# Altium PCB KlusterLab r2.0.PcbDoc (part 20 of 22) (continued)
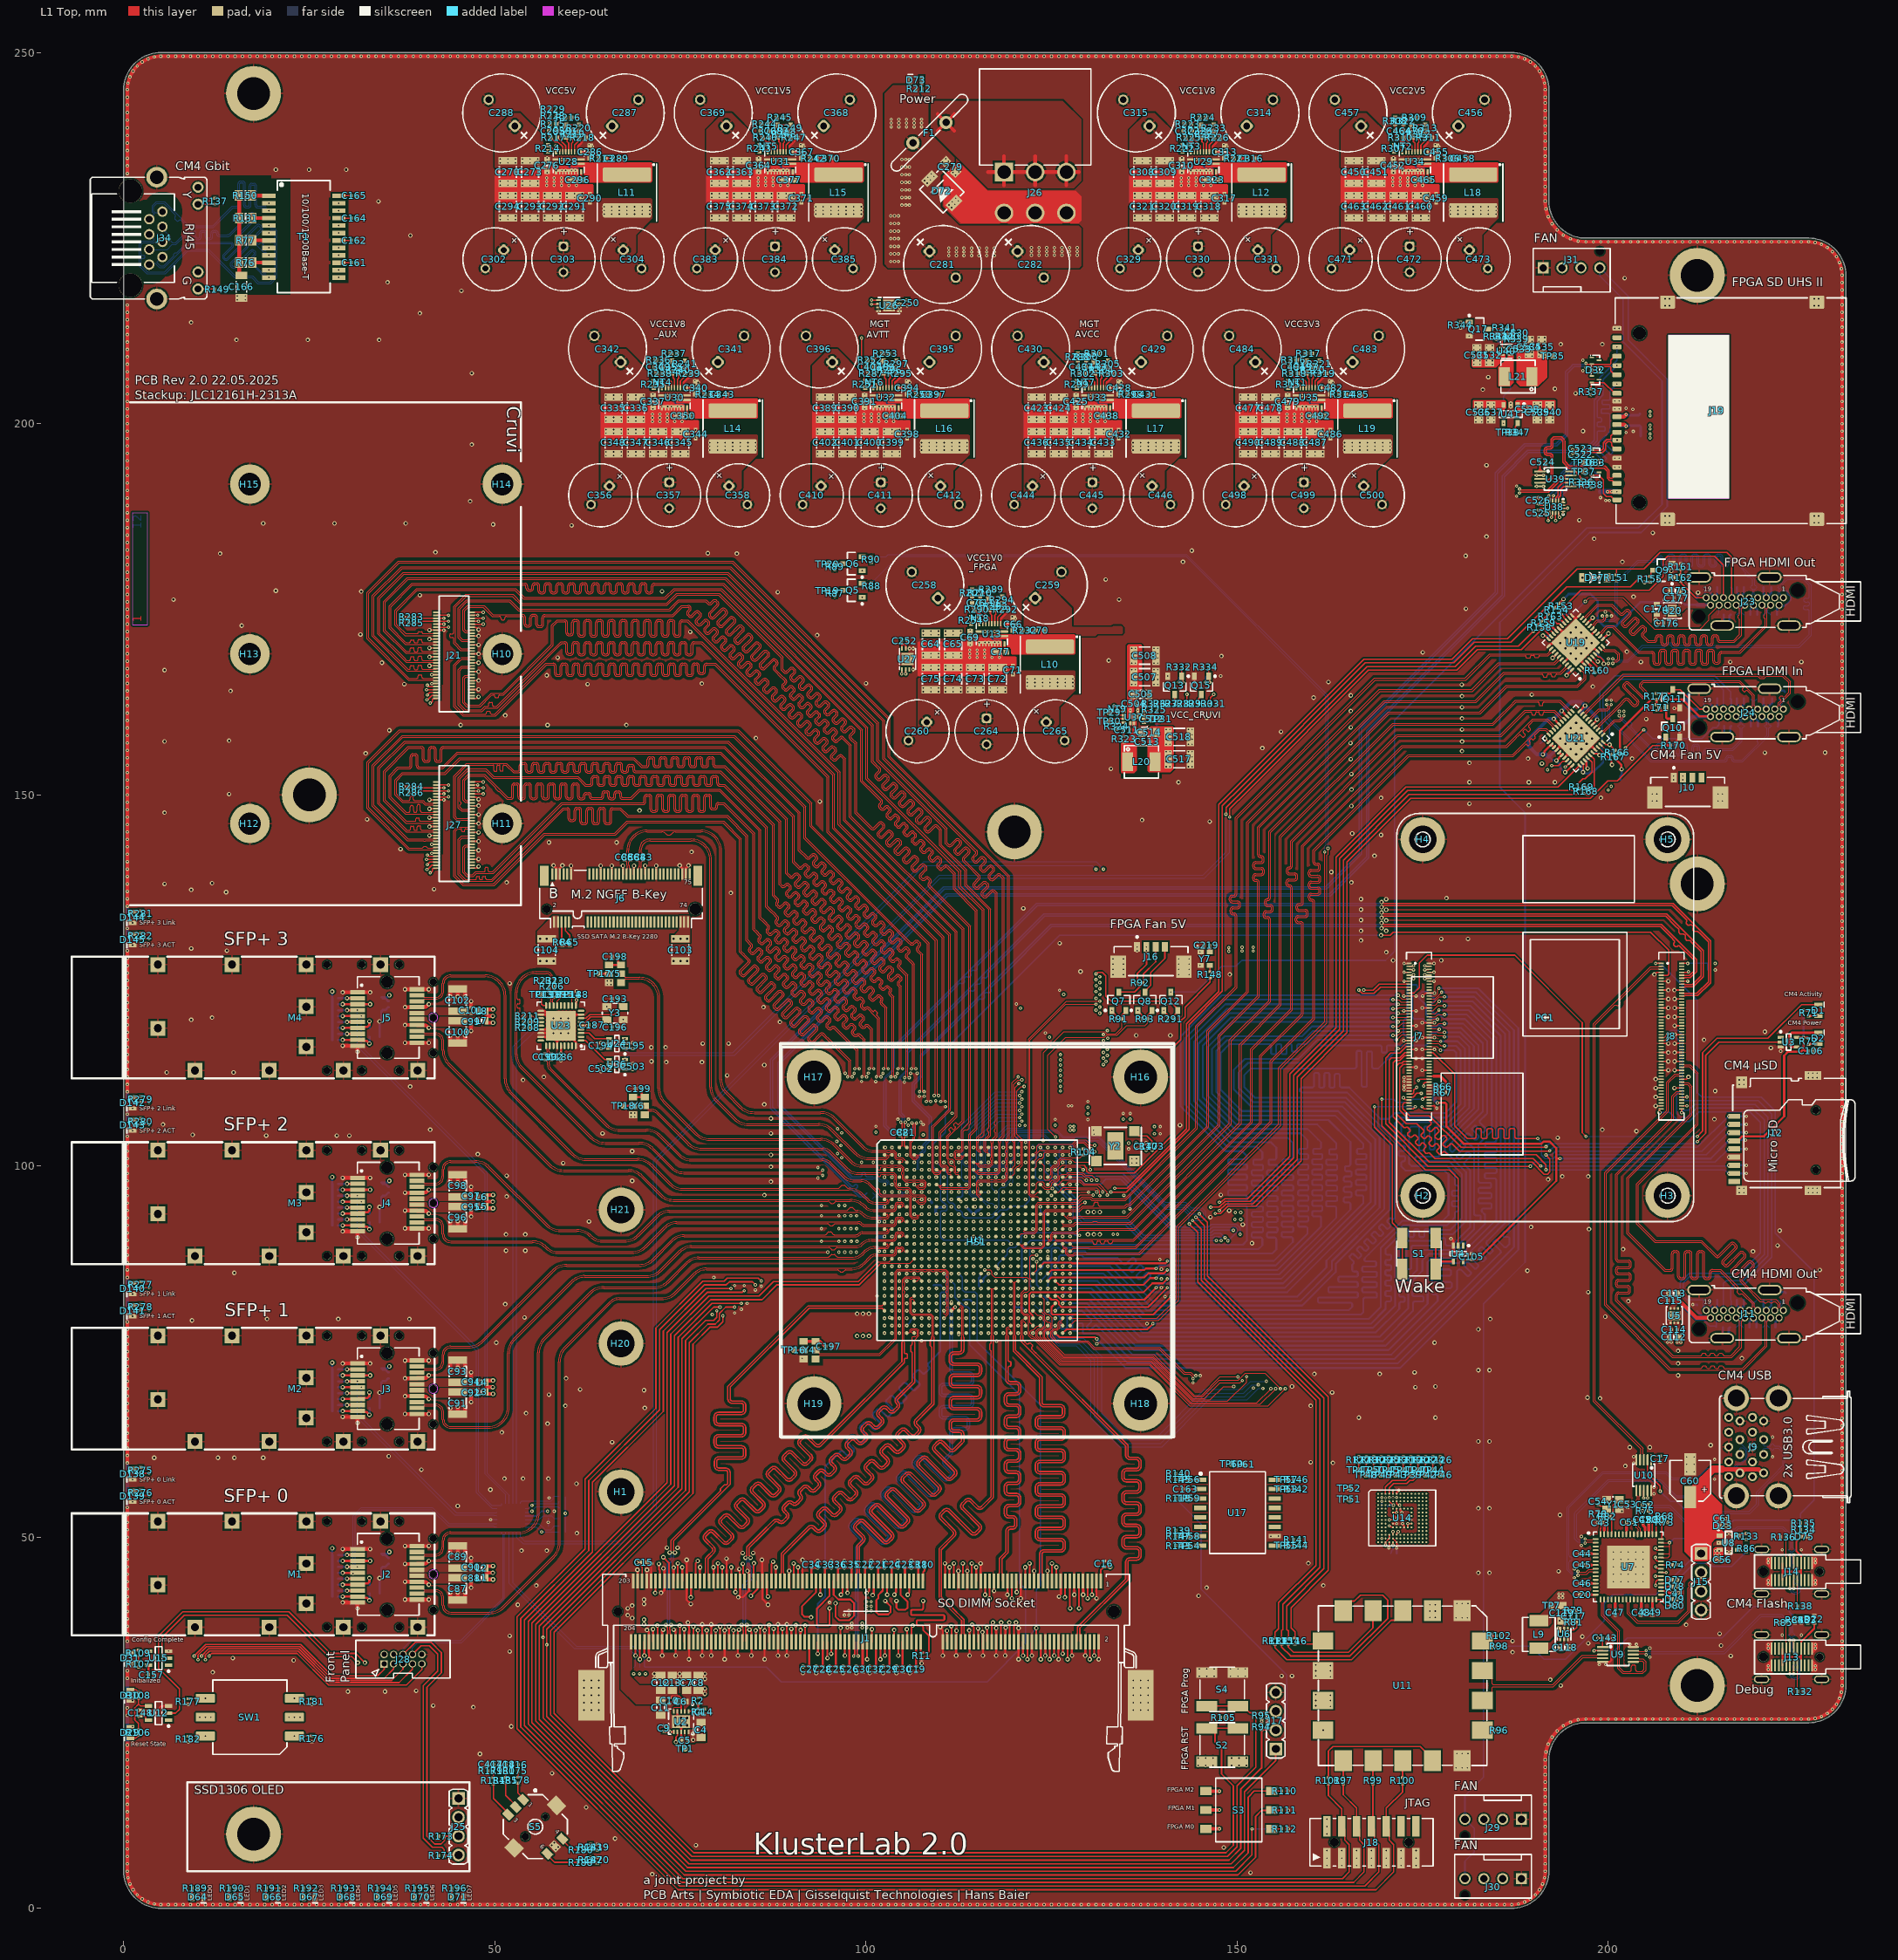
[diagram p0: L1 Top view]
## Nets (pads, with @x,y where several pads share a name; then routed paths per layer and width w, separated by ;. In a path a pad name is that pad's centre, name@x,y a point inside that pad or via, vN(x,y) a via of type N, cw(c..) or ccw(c..) an arc to the next point about the centre after c; other vN are vias at no path point) (continued)
VCC3V3_SD: C538.1 C539.1 C540.1 R346.1 U41.1 | length 16.4
  L3 Inner2 (Sig) w0.8: 190.187,202.514 190.85,202.514 191.7,202.514 192.5,202.514 198.436,202.514 200.503,200.447
  L3 Inner2 (Sig) w0.85: 200.503,200.447 202.998,200.447 204.961,198.484
  other v1: 205.625,198.1 205.625,198.6 190.05,202.25 190.85,202.25 191.7,202.25 192.5,202.25 190.05,202.75 190.85,202.75 191.7,202.75 192.5,202.75
VCC5V: C56.1 C112.2 C114.2 C174.2 C176.2 C290.1 C291.1 C292.1 C293.1 C294.1 C297.1 C298.1 C299.1 C300.1 C302.1 C303.1 C304.1 C504.2 C505.1 C506.1 C507.1 C508.1 C509.1 C510.1 C531.1 C532.1 D50.2 J7.77 J7.79 J7.81 J7.83 J7.85 J7.87 J10.2 J16.2 J21.60 J27.60 J29.2 J30.2 J31.2 L11.2 R73.2 R92.2 R216.2 U5.2 U5.3 U8.3 U20.2 U20.3 U37.2 U40.3 | length 20.8
  L1 Top w0.2: J27.60@46.835,140.13 47.59,140.13 v2(47.8,140.34) ; J21.60@46.835,162.99 47.59,162.99 v2(47.8,163.2) ; R92.2@136.555,124.65 136.555,125.905 137.8,127.15 137.8,129 137.8,129.475 v1(137.775,129.5)
  L10 Inner9 (Sig) w0.4: v1(60.325,241.25) 60.325,240.513 59.8,239.988 59.8,238.65 62.061,236.389 62.061,235.155 62.709,234.508 62.709,232.566 63.325,231.95 63.325,230.375 v1(62.8,229.85)
  other v1: 214.45,47.05 214.955,47.05 214.45,47.6 214.95,47.6 214.445,48.15 214.945,48.15 207.995,52 209.277,76.254 209.777,76.254 172.5,110.3 172.5,110.8 172.5,111.4 172.5,111.9 148.875,128.925 150.675,128.975 152.175,128.975 137.775,129 148.875,129.425 150.675,129.475 152.175,129.475 199.997,150.654 200.397,151.154 210.053,152.016 210.053,152.516 135.6,161.4 135.755,162.3 135.8,163.2 136.3,163.2 135.8,163.9 136.3,163.9 135.8,164.85 136.3,164.85 135.8,165.55 136.3,165.55 135.8,166.15 136.3,166.15 135.8,166.85 136.3,166.85 135.8,167.75 136.3,167.75 135.8,168.45 136.3,168.45 135.8,169.05 136.3,169.05 135.8,169.75 136.3,169.75 181.9,208 182.7,208 183.6,208 184.4,208 181.9,208.5 182.7,208.5 183.6,208.5 184.4,208.5 50.725,227.5 51.75,227.5 52.775,227.5 53.725,227.5 54.75,227.5 55.775,227.5 56.725,227.5 57.75,227.5 58.775,227.5 59.725,227.5 60.75,227.5 61.775,227.5 50.725,228 51.75,228 52.775,228 53.725,228 54.75,228 55.775,228 56.725,228 57.75,228 58.775,228 59.725,228 60.75,228 61.775,228 64.725,228.24 65.75,228.24 66.775,228.24 67.8,228.24 68.825,228.24 69.85,228.24 70.875,228.24 64.725,228.74 65.75,228.74 66.775,228.74 67.8,228.74 68.825,228.74 69.85,228.74 70.875,228.74 64.725,229.24 65.75,229.24 66.775,229.24 67.8,229.24 68.825,229.24 69.85,229.24 70.875,229.24
  other v2: 206.797,173.254 206.397,173.554
VCC5V0_RX: C178.2 D49.2 D51.2 J24.18 R166.2 R167.2 R171.2 R172.2 | length 27.2
  L1 Top w0.3: v2(201.797,153.454) 201.74,153.511 201.74,154.069 R167.2@200.951,154.858 R166.2@201.516,155.424 201.552,155.459 201.552,158.608 205.802,162.859 R172.2@206.497,162.859 ; R171.2@206.497,162.149 R172.2@206.497,162.859 ; J24.18@213.777,160.554 212.297,160.554 209.992,162.859 R172.2@206.497,162.859
  L12 Bottom w0.3: D49.2@201.626,152.062 201.626,152.493 201.797,152.664 v2(201.797,153.454)
  L12 Bottom w0.5: C178.2@209.797,159.754 210.547,159.754 211.347,160.554 J24.18@213.777,160.554
VCC12V: C62.1 C63.1 C64.1 C65.1 C66.1 C67.1 C68.1 C69.1 C258.1 C259.1 C267.1 C268.1 C270.1 C273.1 C276.1 C278.1 C279.1 C280.1 C281.1 C282.1 C286.1 C287.1 C288.1 C306.1 C307.1 C308.1 C309.1 C310.1 C311.1 C312.1 C313.1 C314.1 C315.1 C333.1 C334.1 C335.1 C336.1 C337.1 C338.1 C339.1 C340.1 C341.1 C342.1 C360.1 C361.1 C362.1 C363.1 C364.1 C365.1 C366.1 C367.1 C368.1 C369.1 C387.1 C388.1 C389.1 C390.1 C391.1 C392.1 C393.1 C394.1 C395.1 C396.1 C414.1 C415.1 C423.1 C424.1 C425.1 C426.1 C427.1 C428.1 C429.1 C430.1 C448.1 C449.1 C450.1 C451.1 C452.1 C453.1 C454.1 C455.1 C456.1 C457.1 C475.1 C476.1 C477.1 C478.1 C479.1 C480.1 C481.1 C482.1 C483.1 C484.1 D72.1 F1.2 R212.2 R228.2 U13.10 U13.21 U28.10 U28.21 U29.10 U29.21 U30.10 U30.21 U31.10 U31.21 U32.10 U32.21 U33.10 U33.21 U34.10 U34.21 U35.10 U35.21 | length 0
  L1 Top w0.2: R212.2@106.76,245.05 R212.2@106.76,245.1
  other v1: 107.725,171.55 108.75,171.55 109.775,171.55 110.725,171.55 111.75,171.55 112.775,171.55 114.05,171.7 116,172 116.5,172 117.35,172 117.85,172 119.85,172 107.725,172.05 108.75,172.05 109.775,172.05 110.725,172.05 111.75,172.05 112.775,172.05 114.05,172.2 119.85,172.5 64.975,203.35 66,203.35 67.025,203.35 67.975,203.35 69,203.35 70.025,203.35 93.475,203.35 94.5,203.35 95.525,203.35 96.475,203.35 97.5,203.35 98.525,203.35 121.975,203.35 123,203.35 124.025,203.35 124.975,203.35 126,203.35 127.025,203.35 150.475,203.35 151.5,203.35 152.525,203.35 153.475,203.35 154.5,203.35 155.525,203.35 71.3,203.5 99.8,203.5 128.3,203.5 156.8,203.5 73.25,203.8 73.75,203.8 74.6,203.8 75.1,203.8 77.1,203.8 101.75,203.8 102.25,203.8 103.1,203.8 103.6,203.8 105.6,203.8 130.25,203.8 130.75,203.8 131.6,203.8 132.1,203.8 134.1,203.8 158.75,203.8 159.25,203.8 160.1,203.8 160.6,203.8 162.6,203.8 64.975,203.85 66,203.85 67.025,203.85 67.975,203.85 69,203.85 70.025,203.85 93.475,203.85 94.5,203.85 95.525,203.85 96.475,203.85 97.5,203.85 98.525,203.85 121.975,203.85 123,203.85 124.025,203.85 124.975,203.85 126,203.85 127.025,203.85 150.475,203.85 151.5,203.85 152.525,203.85 153.475,203.85 154.5,203.85 155.525,203.85 71.3,204 99.8,204 128.3,204 156.8,204 77.1,204.3 105.6,204.3 134.1,204.3 162.6,204.3 103.35,221.85 103.85,221.85 104.35,221.85 111.15,222.65 112.175,222.65 113.2,222.65 114.225,222.65 115.25,222.65 116.275,222.65 117.3,222.65 122.3,222.7 123.325,222.7 124.35,222.7 125.375,222.7 126.4,222.7 127.425,222.7 128.45,222.7 103.35,222.875 103.85,222.875 104.35,222.875 111.15,223.15 112.175,223.15 113.2,223.15 114.225,223.15 115.25,223.15 116.275,223.15 117.3,223.15 122.3,223.2 123.325,223.2 124.35,223.2 125.375,223.2 126.4,223.2 127.425,223.2 128.45,223.2 111.15,223.65 112.175,223.65 113.2,223.65 114.225,223.65 115.25,223.65 116.275,223.65 117.3,223.65 122.3,223.7 123.325,223.7 124.35,223.7 125.375,223.7 126.4,223.7 127.425,223.7 128.45,223.7 103.35,223.9 103.85,223.9 104.35,223.9 103.35,224.925 103.85,224.925 104.35,224.925 103.35,225.95 103.85,225.95 104.35,225.95 103.35,226.975 103.85,226.975 104.35,226.975 103.35,228 103.85,228 104.35,228 104.85,229.45 105.35,229.45 105.85,229.45 104.85,230.475 105.35,230.475 105.85,230.475 104.85,231.5 105.35,231.5 105.85,231.5 108.25,232.4 104.85,232.525 105.35,232.525 105.85,232.525 107.9,232.75 108.7,232.85 108.35,233.2 109.15,233.3 104.85,233.55 105.35,233.55 105.85,233.55 108.8,233.65 104.85,234.575 105.35,234.575 105.85,234.575 110.65,234.9 50.725,235.15 51.75,235.15 52.775,235.15 53.725,235.15 54.75,235.15 55.775,235.15 79.225,235.15 80.25,235.15 81.275,235.15 82.225,235.15 83.25,235.15 84.275,235.15 136.225,235.15 137.25,235.15 138.275,235.15 139.225,235.15 140.25,235.15 141.275,235.15 164.725,235.15 165.75,235.15 166.775,235.15 167.725,235.15 168.75,235.15 169.775,235.15 110.3,235.25 57.05,235.3 85.55,235.3 142.55,235.3 171.05,235.3 111.1,235.35 59,235.6 59.5,235.6 60.35,235.6 60.85,235.6 62.85,235.6 87.5,235.6 88,235.6 88.85,235.6 89.35,235.6 91.35,235.6 104.85,235.6 105.35,235.6 105.85,235.6 144.5,235.6 145,235.6 145.85,235.6 146.35,235.6 148.35,235.6 173,235.6 173.5,235.6 174.35,235.6 174.85,235.6 176.85,235.6 50.725,235.65 51.75,235.65 52.775,235.65 53.725,235.65 54.75,235.65 55.775,235.65 79.225,235.65 80.25,235.65 81.275,235.65 82.225,235.65 83.25,235.65 84.275,235.65 136.225,235.65 137.25,235.65 138.275,235.65 139.225,235.65 140.25,235.65 141.275,235.65 164.725,235.65 165.75,235.65 166.775,235.65 167.725,235.65 168.75,235.65 169.775,235.65 110.75,235.7 57.05,235.8 85.55,235.8 142.55,235.8 171.05,235.8 62.85,236.1 91.35,236.1 148.35,236.1 176.85,236.1 103.4,240 104.425,240 105.45,240 106.475,240 107.5,240 103.4,240.5 104.425,240.5 105.45,240.5 106.475,240.5 107.5,240.5 103.4,241 104.425,241 105.45,241 106.475,241 107.5,241 57.455,241.45
VCC_CRUVI_ADJ: C206.1 C217.1 C218.1 C275.1 C277.1 C513.2 C514.1 C515.1 C516.1 C517.1 C518.1 C519.1 J21.36 J27.36 L20.2 Q7.1 Q8.1 Q12.1 R91.2 R93.2 R291.2 R325.2 U1.A11 U1.B8 U1.B18 U1.C15 U1.D12 U1.E9 U1.E19 U1.F16 U1.G13 U1.H10 U1.H20 U1.J17 U1.M18 U11.2 | length 9.3
  L1 Top w0.2: J27.36@46.835,144.93 46.84,144.935 47.795,144.935 v2(47.8,144.94) ; J21.36@46.835,167.79 46.84,167.795 47.795,167.795 v2(47.8,167.8) ; v1(133.125,120.965) 133.125,120.815 133.35,120.59 133.43,120.59 133.68,120.34 R91.2@133.68,119.8 ; v1(136.625,120.965) 136.625,120.815 136.85,120.59 136.93,120.59 137.18,120.34 R93.2@137.18,119.8 ; v1(140.125,120.965) 140.125,120.815 140.35,120.59 140.43,120.59 140.68,120.34 R291.2@140.68,119.8
  L12 Bottom w0.3: v1(139.15,158.416) 139.195,158.461 v1(139.195,161.466)
  other v1: 175.95,39.2 176.7,39.2 175.95,40.05 176.7,40.05 175.95,40.9 176.7,40.9 119.5,91.5 118.5,94.5 111.5,95.5 121.5,95.5 114.5,96.5 117.5,97.5 110.507,98.507 120.5,98.5 113.5,99.5 116.5,100.5 109.5,101.5 119.5,101.5 112.5,102.5 140.45,153.8 140.95,153.8 140.45,154.5 140.95,154.5 140.45,155.1 140.95,155.1 140.45,155.8 140.95,155.8 140.45,156.8 140.95,156.8 140.45,157.5 140.95,157.5 140.45,158.1 140.95,158.1 140.45,158.8 140.95,158.8
VCC_USB: C60.1 C61.1 D23.2 J9.1 J9.10 J15.1 R98.2 U8.1 | length 48.2
  L1 Top w0.6: 215.5,59.15 215.818,59.15 215.819,59.148 217.082,59.148 ; J9.10@217.582,58.648 217.082,59.148 ; J9.10@217.885,58.648 218.385,59.148 218.7,59.148 ; J9.1@220.771,58.648 220.271,59.148 218.7,59.148 ; 217.082,59.148 218.7,59.148
  L1 Top w1: C60.1@211.05,55.4 211.05,56.1 214.102,59.152 215.3,59.152
  L12 Bottom w0.2: v1(185.695,35.3) 189.6,35.3 191.35,33.55 194.25,33.55 199.45,38.75 199.45,41.05 200.65,42.25 206.426,42.25 211.226,47.05 211.75,47.05 J15.1@212.5,47.8
VCCADJ_SD: C526.1 C530.2 C533.1 C534.1 C535.1 L21.1 R339.2 R345.1 TP35.1 U38.14 | length 50.4
  L1 Top w0.2: v1(188.045,211.4) C530.2@188.045,212.2 ; v1(190.593,189.236) 190.643,189.236 190.733,189.146 190.733,189.117 190.85,189 U38.14@191.5,189 ; v1(191.45,209.1) 191.872,209.1 ; 191.58,208.824 191.825,209.069 ; C535.1@191.627,209.345 191.872,209.1 ; TP35.1@192.55,209.1 191.872,209.1
  L3 Inner2 (Sig) w0.5: v1(188.95,209.6) v1(188.95,209.1) 188.95,207.548 188.127,206.725 188.127,200.76 189.327,199.56 189.327,190.023 190.114,189.236 v1(190.593,189.236)
  L3 Inner2 (Sig) w0.8: 189.75,209.35 192.45,209.35 195.585,206.215 201.935,206.215 202.6,205.55 202.6,204.2 204.6,202.2 204.6,200.814 v1@205.614,199.8 ; v1@205.625,199.413 v1(205.625,199.8)
  L12 Bottom w0.2: v1(188,208.9) 187.45,209.45 187.45,210.805 v1(188.045,211.4)
  other v1: 205.625,199.3 189.75,209.1 190.65,209.1 189.75,209.6 190.65,209.6 191.45,209.6
VRN_32: R3.1 U1.V13
  other v1: 114.5,85.5
VRN_33: R6.1 U1.U9
  other v1: 110.5,86.502
VRN_34: R8.1 U1.U4
  other v1: 105.5,86.5
VRP_32: R1.1 U1.W13
  other v1: 114.5,84.5
VRP_33: R5.1 U1.V12
  other v1: 113.5,85.5
VRP_34: R7.1 U1.T7
  other v1: 108.5,87.5
VSEL.ADJ1: Q16.1 R335.1 U1.T23 | length 141.6
  L1 Top w0.1: U1.T23@124.5,87.5 v1(124.5,87.8)
  L3 Inner2 (Sig) w0.1: v1(124.5,87.8) 124.5,87.5 125,87 127.75,87 129,85.75 133.65,85.75 138.15,90.25 144.569,90.25 147.219,92.9 148.55,92.9 149.4,93.75 v1(149.75,93.75)
  L10 Inner9 (Sig) w0.1: v1(145.75,165.15) 145.75,165.055 145.864,164.941 145.864,164.934 146.082,164.717 146.605,164.717 179.2,132.121 179.2,103.1 178.4,102.3 169.9,102.3 161.8,94.2 150.2,94.2 v1(149.75,93.75)
  L12 Bottom w0.15: v1(145.75,165.15) 145.75,165.835 Q16.1@145.9,165.985 146.105,166.191 146.105,167.151 R335.1@146.155,167.2
VSEL.ADJ2: Q15.1 R334.1 U1.T20 | length 145.2
  L1 Top w0.15: Q15.1@146.147,165.988 R334.1@146.147,167.198 ; Q15.1@146.15,165.985 146.3,165.835 v1(146.3,165.15)
  L1 Top w0.4: Q15.1@146.147,165.988 Q15.1@146.15,165.985
  L3 Inner2 (Sig) w0.1: v1(121.5,87.5) 121.5,87.15 122.8,85.85 122.8,85.483 123.183,85.1 128.653,85.1 129.053,85.5 133.754,85.5 138.254,90 144.672,90 147.322,92.65 148.8,92.65 149.4,93.25 150,93.25 v1(150.5,93.75)
  L10 Inner9 (Sig) w0.1: v1(146.3,165.15) 146.673,165.15 179.518,132.305 179.518,102.782 178.586,101.85 170.086,101.85 161.986,93.75 v1(150.5,93.75)
VSEL.ADJ3: Q14.1 R333.1 U1.U17 | length 155.1
  L3 Inner2 (Sig) w0.1: v1(118.5,86.5) 118.5,86.455 118.905,86.05 121.664,86.05 122.15,85.564 122.15,85.1 123.2,84.05 128.35,84.05 129.25,84.95 133.981,84.95 138.481,89.45 144.9,89.45 147.55,92.1 149.8,92.1 v1(150.5,92.8)
  L10 Inner9 (Sig) w0.1: v1(142.149,165.151) 143.003,166.006 146.878,166.006 180.19,132.694 180.19,102.46 178.63,100.9 170.48,100.9 162.38,92.8 v1(150.5,92.8)
  L12 Bottom w0.15: v1(142.149,165.151) Q14.1@142.149,165.836 ; Q14.1@142.3,165.985 142.513,166.198 142.513,167.163 R333.1@142.55,167.2
VSEL.ADJ4: Q13.1 R332.1 U1.T18 | length 151.9
  L1 Top w0.15: R332.1@142.545,167.2 142.545,165.99 Q13.1@142.55,165.985 ; v1(142.699,165.151) Q13.1@142.699,165.836
  L3 Inner2 (Sig) w0.1: v1(119.5,87.5) 120,87 121.179,87 122.465,85.714 122.465,85.275 122.841,84.9 128.8,84.9 129.133,85.233 133.864,85.233 138.364,89.733 144.783,89.733 147.433,92.383 149.283,92.383 v1(149.7,92.8)
  L10 Inner9 (Sig) w0.1: v1(142.699,165.151) 143.247,165.7 146.643,165.7 179.836,132.507 179.836,102.614 178.622,101.4 170.273,101.4 162.173,93.3 150.2,93.3 v1(149.7,92.8)
VTTDDR: C10.1 C11.1 C12.1 C13.1 C39.2 C40.1 C57.2 C58.2 C59.2 C78.1 C79.1 C80.1 J1.203 J1.204 U2.3 U2.5 | length 5
  L1 Top w0.1: U2.5@74.1,26.55 74.1,27 74.2,27.1 75.1,27.1
  L1 Top w0.25: C10.1@73.6,28.37 73.64,28.41 73.71,28.41 73.9,28.6 74.8,28.6 75.1,28.3 75.1,27.1 U2.3@75.1,26.55
  other v2: 68.5,39.1 67.9,39.5 67.9,40.4 68.5,40.8
VTTVREF: C1.1 C2.1 C3.1 C9.1 C16.1 J1.1 J1.126 U1.AD3 U1.AE11 U1.AE16 U1.W4 U1.W8 U1.Y18 U2.6 | length 6.5
  L1 Top w0.249: J1.1@131.65,44.1 131.65,45.605 132.05,46.005 C16.1@132.1,46.005 132.103,46.003 132.897,46.003 v2(132.9,46)
  L1 Top w0.25: C9.1@72.8,23.855 72.85,23.855 72.955,23.75 U2.6@74.1,23.75 ; J1.126@91.75,35.9 91.775,35.925 91.775,38.075 v2(91.8,38.1)
  other v1: 112.502,78.5 117.5,78.5 104.5,79.5 119.5,83.5 105.5,84.5 109.5,84.5
  other v2: 73.528,23.75
pads on no net: D32.1 D32.4 D32.6 D32.7 D32.9 D83.2 D83.6 D83.8 J1. J1.77 J1.122 J1.125 J2.MT J3.MT J4.MT J5.MT J6.1 J6.7 J6.9 J6.10 J6.20 J6.21 J6.22 J6.23 J6.24 J6.25 J6.26 J6.28 J6.29 J6.30 J6.31 J6.32 J6.34 J6.35 J6.36 J6.37 J6.38 J6.40 J6.42 J6.44 J6.46 J6.48 J6.50 J6.52 J6.53 J6.54 J6.55 J6.56 J6.58 J6.59 J6.60 J6.61 J6.62 J6.63 J6.64 J6.65 J6.66 J6.67 J6.68 J6.69 J6.75 J6.MT J7.16 J7.18 J7.19 J7.20 J7.64 J7.68 J7.70 J7.72 J7.73 J7.75 J7.76 J7.94 J7.96 J7.97 J8.104 J8.106 J8.111 J8.115 J8.117 J8.121 J8.123 J8.127 J8.128 J8.129 J8.130 J8.133 J8.134 J8.135 J8.136 J8.139 J8.140 J8.141 J8.142 J8.143 J8.145 J8.146 J8.147 J8.148 J8.149 J8.152 J8.154 J8.157 J8.158 J8.159 J8.160 J8.163 J8.164 J8.165 J8.166 J8.169 J8.171 J8.175 J8.177 J8.181 J8.183 J8.187 J8.189 J8.193 J8.194 J8.195 J8.196 J9.5 J9.6 J9.8 J9.9 J9.14 J9.15 J9.17 J9.18 J10.3 J10.4 J11.0 J11.14 J12.9 J12.MT J13.0 J13.A2 J13.A3 J13.A8 J13.A10 J13.A11 J13.B2 J13.B3 J13.B8 J13.B10 J13.B11 J14.0 J14.A2 J14.A3 J14.A8 J14.A10 J14.A11 J14.B2 J14.B3 J14.B8 J14.B10 J14.B11 J18.12 J18.14 J18.MT J19.2 J19.H1 J19.H2 J21.1 J21.50 J21.52 J21.56 J21.58 J23.0 J23.14 J24.0 J24.14 J27.1 J27.50 J27.52 J27.56 J27.58 J29. J29.3 J30. J30.3 J31. J31.3 J34.MT M1. M2. M3. M4. S5. U1.A18 U1.A19 U1.AA2 U1.AD5 U1.AD10 U1.AE8 U1.AE10 U1.AE12 U1.AE13 U1.AF8 U1.AF9 U1.AF10 U1.AF12 U1.AF13 U1.B16 U1.B20 U1.C16 U1.D1 U1.D2 U1.E3 U1.E4 U1.E21 U1.H21 U1.J8 U1.J14 U1.J18 U1.J19 U1.J20 U1.J21 U1.J23 U1.J25 U1.K16 U1.K17 U1.K20 U1.K21 U1.K22 U1.K23 U1.L19 U1.L20 U1.L22 U1.L23 U1.M16 U1.N16 U1.T17 U1.U19 U1.U20 U1.U21 U1.V14 U1.W14 U3.1 U4.1 U5.4 U7.3 U7.4 U7.6 U7.7 U7.11 U7.12 U7.14 U7.15 U7.19 U7.20 U7.22 U7.23 U7.26 U7.27 U7.29 U7.30 U7.55 U7.56 U7.58 U7.59 U7.60 U12.1 U14.A1 U14.A2 U14.A7 U14.A8 U14.A9 U14.A10 U14.A11 U14.A12 U14.A13 U14.A14 U14.B1 U14.B7 U14.B8 U14.B9 U14.B10 U14.B11 U14.B12 U14.B13 U14.B14 U14.C1 U14.C3 U14.C5 U14.C7 U14.C8 U14.C9 U14.C10 U14.C11 U14.C12 U14.C13 U14.C14 U14.D1 U14.D2 U14.D3 U14.D4 U14.D12 U14.D13 U14.D14 U14.E1 U14.E2 U14.E3 U14.E5 U14.E8 U14.E9 U14.E10 U14.E12 U14.E13 U14.E14 U14.F1 U14.F2 U14.F3 U14.F10 U14.F12 U14.F13 U14.F14 U14.G1 U14.G2 U14.G3 U14.G10 U14.G12 U14.G13 U14.G14 U14.H1 U14.H2 U14.H3 U14.H12 U14.H13 U14.H14 U14.J1 U14.J2 U14.J3 U14.J12 U14.J13 U14.J14 U14.K1 U14.K2 U14.K3 U14.K6 U14.K7 U14.K10 U14.K12 U14.K13 U14.K14 U14.L1 U14.L2 U14.L3 U14.L12 U14.L13 U14.L14 U14.M1 U14.M2 U14.M3 U14.M7 U14.M8 U14.M9 U14.M10 U14.M11 U14.M12 U14.M13 U14.M14 U14.N1 U14.N3 U14.N6 U14.N7 U14.N8 U14.N9 U14.N10 U14.N11 U14.N12 U14.N13 U14.N14 U14.P1 U14.P2 U14.P7 U14.P8 U14.P9 U14.P10 U14.P11 U14.P12 U14.P13 U14.P14 U15.1 U17.4 U17.5 U17.6 U17.11 U17.12 U17.13 U17.14 U20.4 U22.25 U23.2 U23.4 U23.9 U23.12 U23.13 U23.14 U23.27 U23.30 U23.33 U23.34 U23.35 U26.3 U27.3 Y2.5

## Polygon pours and split planes (outlines as drawn)
GND on L1 Top "L1-GND" (solid, remove dead copper, pour order 244): 5,0 cw(c5,5) 0,5 0,245 cw(c5,245) 5,250 187,250 cw(c187,245) 192,245 192,230 ccw(c197,230) 197,225 227,225 cw(c227,220) 232,220 232,30 cw(c227,30) 227,25 197,25 ccw(c197,20) 192,20 192,5 cw(c187,5) 187,0
VCC1V0_FPGA on L1 Top "L1-VCC1V0_FPGA" (solid, pour order 239): 107,165.65 107.1,165.75 118.6,165.75 119.6,166.75 128.05,166.75 128.2,166.6 128.2,164.05 126,161.85 126,159.5 125,158.5 107.5,158.5 107,159
VCC12V on L1 Top "L1-VCC12V" (solid, remove dead copper, pour order 230): 108.4,243.1 107.155,244.345 107.155,245.5 107.055,245.6 103.65,245.6 102.5,244.45 102.5,221.5 103,221 128.75,221 129,221.25 129,226.3 128.65,226.65 112.55,226.65 110.05,229.15 110.05,233.475 111.9,235.325 111.9,235.85 108.4,239.35 108.4,241.2
NetF1_1 on L1 Top "L1-NetF1_1" (solid, remove dead copper, pour order 226): 108.75,243 109.25,243.5 126.5,243.5 129,241 129,232.75 128,231.75 116.45,231.75 108.75,239.45
VCC3V3 on L1 Top "L1-VCC3V3" (solid, pour order 173): 57.8,133.7 55.7,131.6 55.7,130.1 56.3,129.5 60.4,129.5 60.4,130 58.8,130 58.6,130.2 58.6,133.7
+1V1 on L1 Top "L1-+1V1" (solid, pour order 75): 193.2,42.7 191.95,41.45 191.95,40.65 190.85,39.55 189.45,39.55 189.45,38 191.95,38 192.35,38.4 192.35,39.45 193.15,40.25 194.45,40.25 194.75,39.95 194.75,39.15 195.15,39.15 195.15,42.05 194.5,42.7
GND on L1 Top "L1-GND" (solid, pour order 76): 193.15,39.25 194.35,39.25 194.35,39.05 194.61,38.79 195.145,38.79 195.145,38.298 195.098,38.25 194.35,38.25 194.191,38.091 194.191,37.15 193.909,37.15 193.909,38.091 193.75,38.25 193.15,38.25
GND on L1 Top "L1-GND" (solid, pour order 77): 194.45,36.75 194.45,34.75 194.6,34.6 195.1,34.6 195.2,34.7 195.2,35.5 194.65,36.05 194.65,36.75
NetL9_2 on L1 Top "L1-NetL9_2" (solid, pour order 78): 189.45,35.8 192.15,35.8 193.1,36.75 193.65,36.75 193.65,36 193.2,36 191.75,34.55 189.45,34.55
VCC3V3 on L1 Top "L1-VCC3V3" (solid, pour order 79): 193.95,36.75 193.95,35.85 193.75,35.65 193.25,35.65 193.15,35.55 193.15,34.75 193.3,34.6 193.95,34.6 194.15,34.8 194.15,36.75
VCC3V3 on L1 Top "L1-VCC3V3" (solid, pour order 80): 193.15,37.95 193.689,37.95 193.689,37.15 193.15,37.15 193.05,37.25 193.05,37.85
VCC12V on L1 Top "L1-VCC12V" (solid, pour order 188): 121.25,176 123.5,178.25 124.65,178.25 127.75,175.15 127.75,172.75 127.9,172.6 133.15,172.6 133.3,172.75 134.4,172.75 134.6,172.55 134.6,171.8 134.5,171.7 131.2,171.7 130.9,171.4 127.85,171.4 127.3,170.85 121.35,170.85 121.25,170.95
VCC1V5 on L1 Top "L1-VCC1V5" (solid, pour order 212): 78.5,229.25 78.6,229.35 90.1,229.35 91.1,230.35 99.55,230.35 99.7,230.2 99.7,227.65 97.5,225.45 97.5,223.1 96.5,222.1 79,222.1 78.5,222.6
VCC1V8 on L1 Top "L1_VCC1V8" (solid, pour order 224): 135.5,229.25 135.6,229.35 147.1,229.35 148.1,230.35 156.55,230.35 156.7,230.2 156.7,227.65 154.5,225.45 154.5,223.1 153.5,222.1 136,222.1 135.5,222.6
MGTAVCC on L1 Top "L1-MGTAVCC" (solid, pour order 222): 121.25,197.45 121.35,197.55 132.85,197.55 133.85,198.55 142.3,198.55 142.45,198.4 142.45,195.85 140.25,193.65 140.25,191.3 139.25,190.3 121.75,190.3 121.25,190.8
VCC2V5 on L1 Top "L1-VCC2V5" (solid, pour order 220): 164,229.25 164.1,229.35 175.6,229.35 176.6,230.35 185.05,230.35 185.2,230.2 185.2,227.65 183,225.45 183,223.1 182,222.1 164.5,222.1 164,222.6
VCC3V3 on L1 Top "L1-VCC3V3" (solid, pour order 218): 149.75,197.45 149.85,197.55 161.35,197.55 162.35,198.55 170.8,198.55 170.95,198.4 170.95,195.85 168.75,193.65 168.75,191.3 167.75,190.3 150.25,190.3 149.75,190.8
MGTAVTT on L1 Top "L1-MGTAVTT" (solid, pour order 214): 92.75,197.45 92.85,197.55 104.35,197.55 105.35,198.55 113.8,198.55 113.95,198.4 113.95,195.85 111.75,193.65 111.75,191.3 110.75,190.3 93.25,190.3 92.75,190.8
VCC1V8_AUX on L1 Top "L1-VCC1V8_AUX" (solid, pour order 210): 64.25,197.45 64.35,197.55 75.85,197.55 76.85,198.55 85.3,198.55 85.45,198.4 85.45,195.85 83.25,193.65 83.25,191.3 82.25,190.3 64.75,190.3 64.25,190.8
VCC5V on L1 Top "L1-VCC5V" (solid, pour order 208): 50,229.25 50.1,229.35 61.6,229.35 62.6,230.35 71.05,230.35 71.2,230.2 71.2,227.65 69,225.45 69,223.1 68,222.1 50.5,222.1 50,222.6
VCC12V on L1 Top "L1-VCC12V" (solid, pour order 206): 135.5,239.6 137.75,241.85 138.9,241.85 142,238.75 142,236.35 142.15,236.2 147.4,236.2 147.55,236.35 148.65,236.35 148.85,236.15 148.85,235.4 148.75,235.3 145.45,235.3 145.15,235 142.1,235 141.55,234.45 135.6,234.45 135.5,234.55
VCC12V on L1 Top "L1-VCC12V" (solid, pour order 204): 92.75,207.8 95,210.05 96.15,210.05 99.25,206.95 99.25,204.55 99.4,204.4 104.65,204.4 104.8,204.55 105.9,204.55 106.1,204.35 106.1,203.6 106,203.5 102.7,203.5 102.4,203.2 99.35,203.2 98.8,202.65 92.85,202.65 92.75,202.75
VCC12V on L1 Top "L1-VCC12V" (solid, pour order 202): 78.5,239.6 80.75,241.85 81.9,241.85 85,238.75 85,236.35 85.15,236.2 90.4,236.2 90.55,236.35 91.65,236.35 91.85,236.15 91.85,235.4 91.75,235.3 88.45,235.3 88.15,235 85.1,235 84.55,234.45 78.6,234.45 78.5,234.55
VCC12V on L1 Top "L1-VCC12V" (solid, pour order 200): 64.25,207.8 66.5,210.05 67.65,210.05 70.75,206.95 70.75,204.55 70.9,204.4 76.15,204.4 76.3,204.55 77.4,204.55 77.6,204.35 77.6,203.6 77.5,203.5 74.2,203.5 73.9,203.2 70.85,203.2 70.3,202.65 64.35,202.65 64.25,202.75
VCC12V on L1 Top "L1-VCC12V" (solid, pour order 198): 50,239.6 52.25,241.85 53.4,241.85 56.5,238.75 56.5,236.35 56.65,236.2 61.9,236.2 62.05,236.35 63.15,236.35 63.35,236.15 63.35,235.4 63.25,235.3 59.95,235.3 59.65,235 56.6,235 56.05,234.45 50.1,234.45 50,234.55
VCC12V on L1 Top "L1-VCC12V" (solid, pour order 194): 121.25,207.8 123.5,210.05 124.65,210.05 127.75,206.95 127.75,204.55 127.9,204.4 133.15,204.4 133.3,204.55 134.4,204.55 134.6,204.35 134.6,203.6 134.5,203.5 131.2,203.5 130.9,203.2 127.85,203.2 127.3,202.65 121.35,202.65 121.25,202.75
VCC12V on L1 Top "L1-VCC12V" (solid, pour order 192): 164,239.6 166.25,241.85 167.4,241.85 170.5,238.75 170.5,236.35 170.65,236.2 175.9,236.2 176.05,236.35 177.15,236.35 177.35,236.15 177.35,235.4 177.25,235.3 173.95,235.3 173.65,235 170.6,235 170.05,234.45 164.1,234.45 164,234.55
VCC12V on L1 Top "L1-VCC12V" (solid, pour order 190): 149.75,207.8 152,210.05 153.15,210.05 156.25,206.95 156.25,204.55 156.4,204.4 161.65,204.4 161.8,204.55 162.9,204.55 163.1,204.35 163.1,203.6 163,203.5 159.7,203.5 159.4,203.2 156.35,203.2 155.8,202.65 149.85,202.65 149.75,202.75
5V_TX_HDMI on L1 Top "L1-5V_TX_HDMI" (solid, pour order 62): 209.397,174.654 209.397,177.954 210.097,177.954 212.197,175.854 213.997,175.854 214.097,175.754 214.097,175.254 213.997,175.154 210.497,175.154 209.997,174.654
VCC3V3 on L1 Top "L1-VCC3V3" (solid, pour order 174): 74.8,133.7 74.8,131.7 74.2,131.1 73.7,131.1 73.7,130.1 76.3,130.1 76.3,133.6 76.2,133.7
GND on L1 Top "L1-GND" (solid, pour order 100): 71.2,31.6 71.5,31.9 78.3,31.9 78.6,31.6 78.6,30.9 78.3,30.6 71.5,30.6 71.2,30.9
VCC1V5 on L1 Top "L1-VCC1V5" (solid, pour order 99): 75.5,26.3 75.5,28.5 75.2,28.8 75.2,29.9 78.3,29.9 78.6,29.6 78.6,28.9 78.3,28.6 77.9,28.6 77.7,28.4 77.7,28.2 77,28.2 75.7,26.9 75.7,26.3
GND on L1 Top "L1-GND" (solid, pour order 95): 74.7,28.2 74.1,28.2 74.1,28 73.8,27.7 73.3,27.7 73.3,26.9 73,26.6 71.7,26.6 71.7,25.3 72.5,24.5 73.7,24.5 73.9,24.3 77,24.3 77.2,24.5 78.4,24.5 78.4,26.2 76.6,26.2 76.4,26 73.9,26 73.7,26.2 73.7,27 74.1,27.4 74.7,27.4
VCC3V3 on L1 Top "L1-VCC3V3" (solid, pour order 93): 76.1,24.1 76.7,24.1 77.2,23.6 78.4,23.6 78.4,22.5 77.1,22.5 76.9,22.3 75.8,22.3 75.8,23 76,23.2 76,24
GND on L1 Top "L1-GND" (solid, pour order 65): 206.097,175.354 207.297,175.354 207.497,175.154 207.897,175.154 207.997,175.054 207.997,172.854 208.497,172.854 209.197,173.554 209.197,176.054 208.997,176.254 208.997,177.654 208.697,177.954 206.697,177.954 206.097,177.354
GND on L1 Top "L1-GND" (solid, pour order 59): 208.377,83.254 208.377,82.454 208.177,82.254 208.177,81.254 208.077,81.154 208.077,80.454 209.677,80.454 209.677,79.254 208.577,79.254 208.577,78.354 208.677,78.254 208.677,76.054 208.577,75.954 207.877,75.954 207.777,76.054 207.777,77.954 207.777,83.254
VTTDDR on L1 Top "L1-VTTDDR" (solid, pour order 96): 74.5,30 74.6,29.9 74.6,28.5 74.5,28.4 74,28.4 73.8,28.2 73.3,28.2 73,27.9 73,27.5 69,27.5 67,29.5 67,44.6 67.5,45.1 68.8,45.1 68.8,37.2 68.5,36.9 68.5,32.2 68.2,31.9 68.2,31.3 69.5,30
VCC5V on L1 Top "L1-VCC5V" (solid, pour order 85): 173.5,112.2 172.4,112.2 172.2,112 172.2,110.2 172.4,110 173.5,110
CM4_1V8 on L1 Top "L1-CM4_1V8" (solid, pour order 84): 175.5,110.2 177.4,110.2 177.5,110.1 177.5,109.7 177.4,109.6 175.5,109.6
CM4_3V3 on L1 Top "L1-CM4_3V3" (solid, pour order 83): 175.5,111 177.4,111 177.5,110.9 177.5,110.5 177.4,110.4 175.5,110.4
VCC5V on L1 Top "L1-VCC5V" (solid, pour order 63): 206.097,174.754 207.197,174.754 207.397,174.954 207.797,174.954 207.797,173.954 207.697,173.854 207.697,172.854 207.597,172.754 206.597,172.754 206.097,173.254
5V_PI_HDMI on L1 Top "L1-5V_PI_HDMI" (solid, pour order 60): 208.277,80.654 209.077,80.654 209.077,81.054 209.777,81.754 209.777,83.254 209.077,83.254 209.077,82.654 208.577,82.154 208.577,81.354 208.277,81.054
VCC5V on L1 Top "L1-VCC5V" (solid, pour order 58): 208.777,79.054 209.677,79.054 209.677,77.554 209.977,77.254 209.977,76.054 209.877,75.954 209.177,75.954 209.077,76.054 209.077,78.254 208.777,78.554
NetC87_1 on L1 Top "L1-NetC87_1" (solid, pour order 57): 47.4,44.3 47.1,44.6 46.5,44.6 46.3,44.4 46.3,44.1 46,43.8 41.4,43.8 40.7,44.5 38.5,44.5 38.5,45.1 42.4,45.1 48,45.1 48,44 47.4,44
NetC89_1 on L1 Top "L1-NetC89-1" (solid, pour order 56): 47.4,46.1 47.1,45.8 46.5,45.8 46.3,46 46.3,46.3 46.2,46.4 41.2,46.4 40.7,45.9 38.5,45.9 38.5,45.3 42.4,45.3 48,45.3 48,46.4 47.4,46.4
NetC91_1 on L1 Top "L1-NetC91-1" (solid, pour order 55): 47.4,69.3 47.1,69.6 46.5,69.6 46.3,69.4 46.3,69.1 46,68.8 41.4,68.8 40.7,69.5 38.5,69.5 38.5,70.1 42.4,70.1 48,70.1 48,69 47.4,69
NetC93_1 on L1 Top "L1-NetC93-1" (solid, pour order 54): 47.4,71.1 47.1,70.8 46.5,70.8 46.3,71 46.3,71.3 46.2,71.4 41.2,71.4 40.7,70.9 38.5,70.9 38.5,70.3 42.4,70.3 48,70.3 48,71.4 47.4,71.4
NetC95_1 on L1 Top "L1-NetC95-1" (solid, pour order 53): 47.4,94.3 47.1,94.6 46.5,94.6 46.3,94.4 46.3,94.1 46,93.8 41.4,93.8 40.7,94.5 38.5,94.5 38.5,95.1 42.4,95.1 48,95.1 48,94 47.4,94
NetC97_1 on L1 Top "L1-NetC97_1" (solid, pour order 52): 47.4,96.1 47.1,95.8 46.5,95.8 46.3,96 46.3,96.3 46.2,96.4 41.2,96.4 40.7,95.9 38.5,95.9 38.5,95.3 42.4,95.3 48,95.3 48,96.4 47.4,96.4
NetC99_1 on L1 Top "L1-NetC97_1" (solid, pour order 10): 47.4,119.3 47.1,119.6 46.5,119.6 46.3,119.4 46.3,119.1 46,118.8 41.4,118.8 40.7,119.5 38.5,119.5 38.5,120.1 42.4,120.1 48,120.1 48,119 47.4,119
NetC101_1 on L1 Top "L1-NetC101_1" (solid, pour order 9): 47.4,121.1 47.1,120.8 46.5,120.8 46.3,121 46.3,121.3 46.2,121.4 41.2,121.4 40.7,120.9 38.5,120.9 38.5,120.3 42.4,120.3 48,120.3 48,121.4 47.4,121.4
VCC3V3 on L8 Inner7 (PWR) "L8_VCC3V3" (solid, remove dead copper, pour order 234): 5,0 cw(c5,5) 0,5 0,245 cw(c5,245) 5,250 187,250 cw(c187,245) 192,245 192,230 ccw(c197,230) 197,225 227,225 cw(c227,220) 232,220 232,30 cw(c227,30) 227,25 197,25 ccw(c197,20) 192,20 192,5 cw(c187,5) 187,0
VCC_CRUVI_ADJ on L8 Inner7 (PWR) "L8-VCC-CRUVI_ADJ" (solid, pour order 233): 46.994,140.006 46.994,150.056 48.2,151.262 48.2,154.25 45.261,157.189 45.261,171.289 47.372,173.4 57.817,173.4 71.474,159.743 131.842,159.658 133.15,158.35 134.25,158.35 135.547,159.647 140.903,159.647 141.997,158.553 141.9,131.61 141.9,120.85 140.7,119.65 128.8,119.65 124.138,114.988 124.138,105.524 122.1,103.486 122.1,93.036 116.76,87.695 116.76,86.495 117.814,85.5 128.451,85.5 168.364,42.6 175.7,42.6 177.4,40.9 177.4,38.65 176.7,37.95 164.1,37.95 141.85,60.2 129.105,60.2 117.814,71.491 102.509,71.491 89.502,84.498 89.502,101.257 84.7,106.06 84.7,123.9 70.493,138.107 48.893,138.107